# Altium PCB SIM_Cntroller_P200.PcbDoc (part 2 of 2)
Units mm, origin at the board's own origin, x right, y up, seen from the top; angles counter-clockwise.
Board outline 110.24 x 141.25 mm, 2 copper layers (Top Layer, Bottom Layer); 165 components, 100 nets, 639 pads, 246 vias.
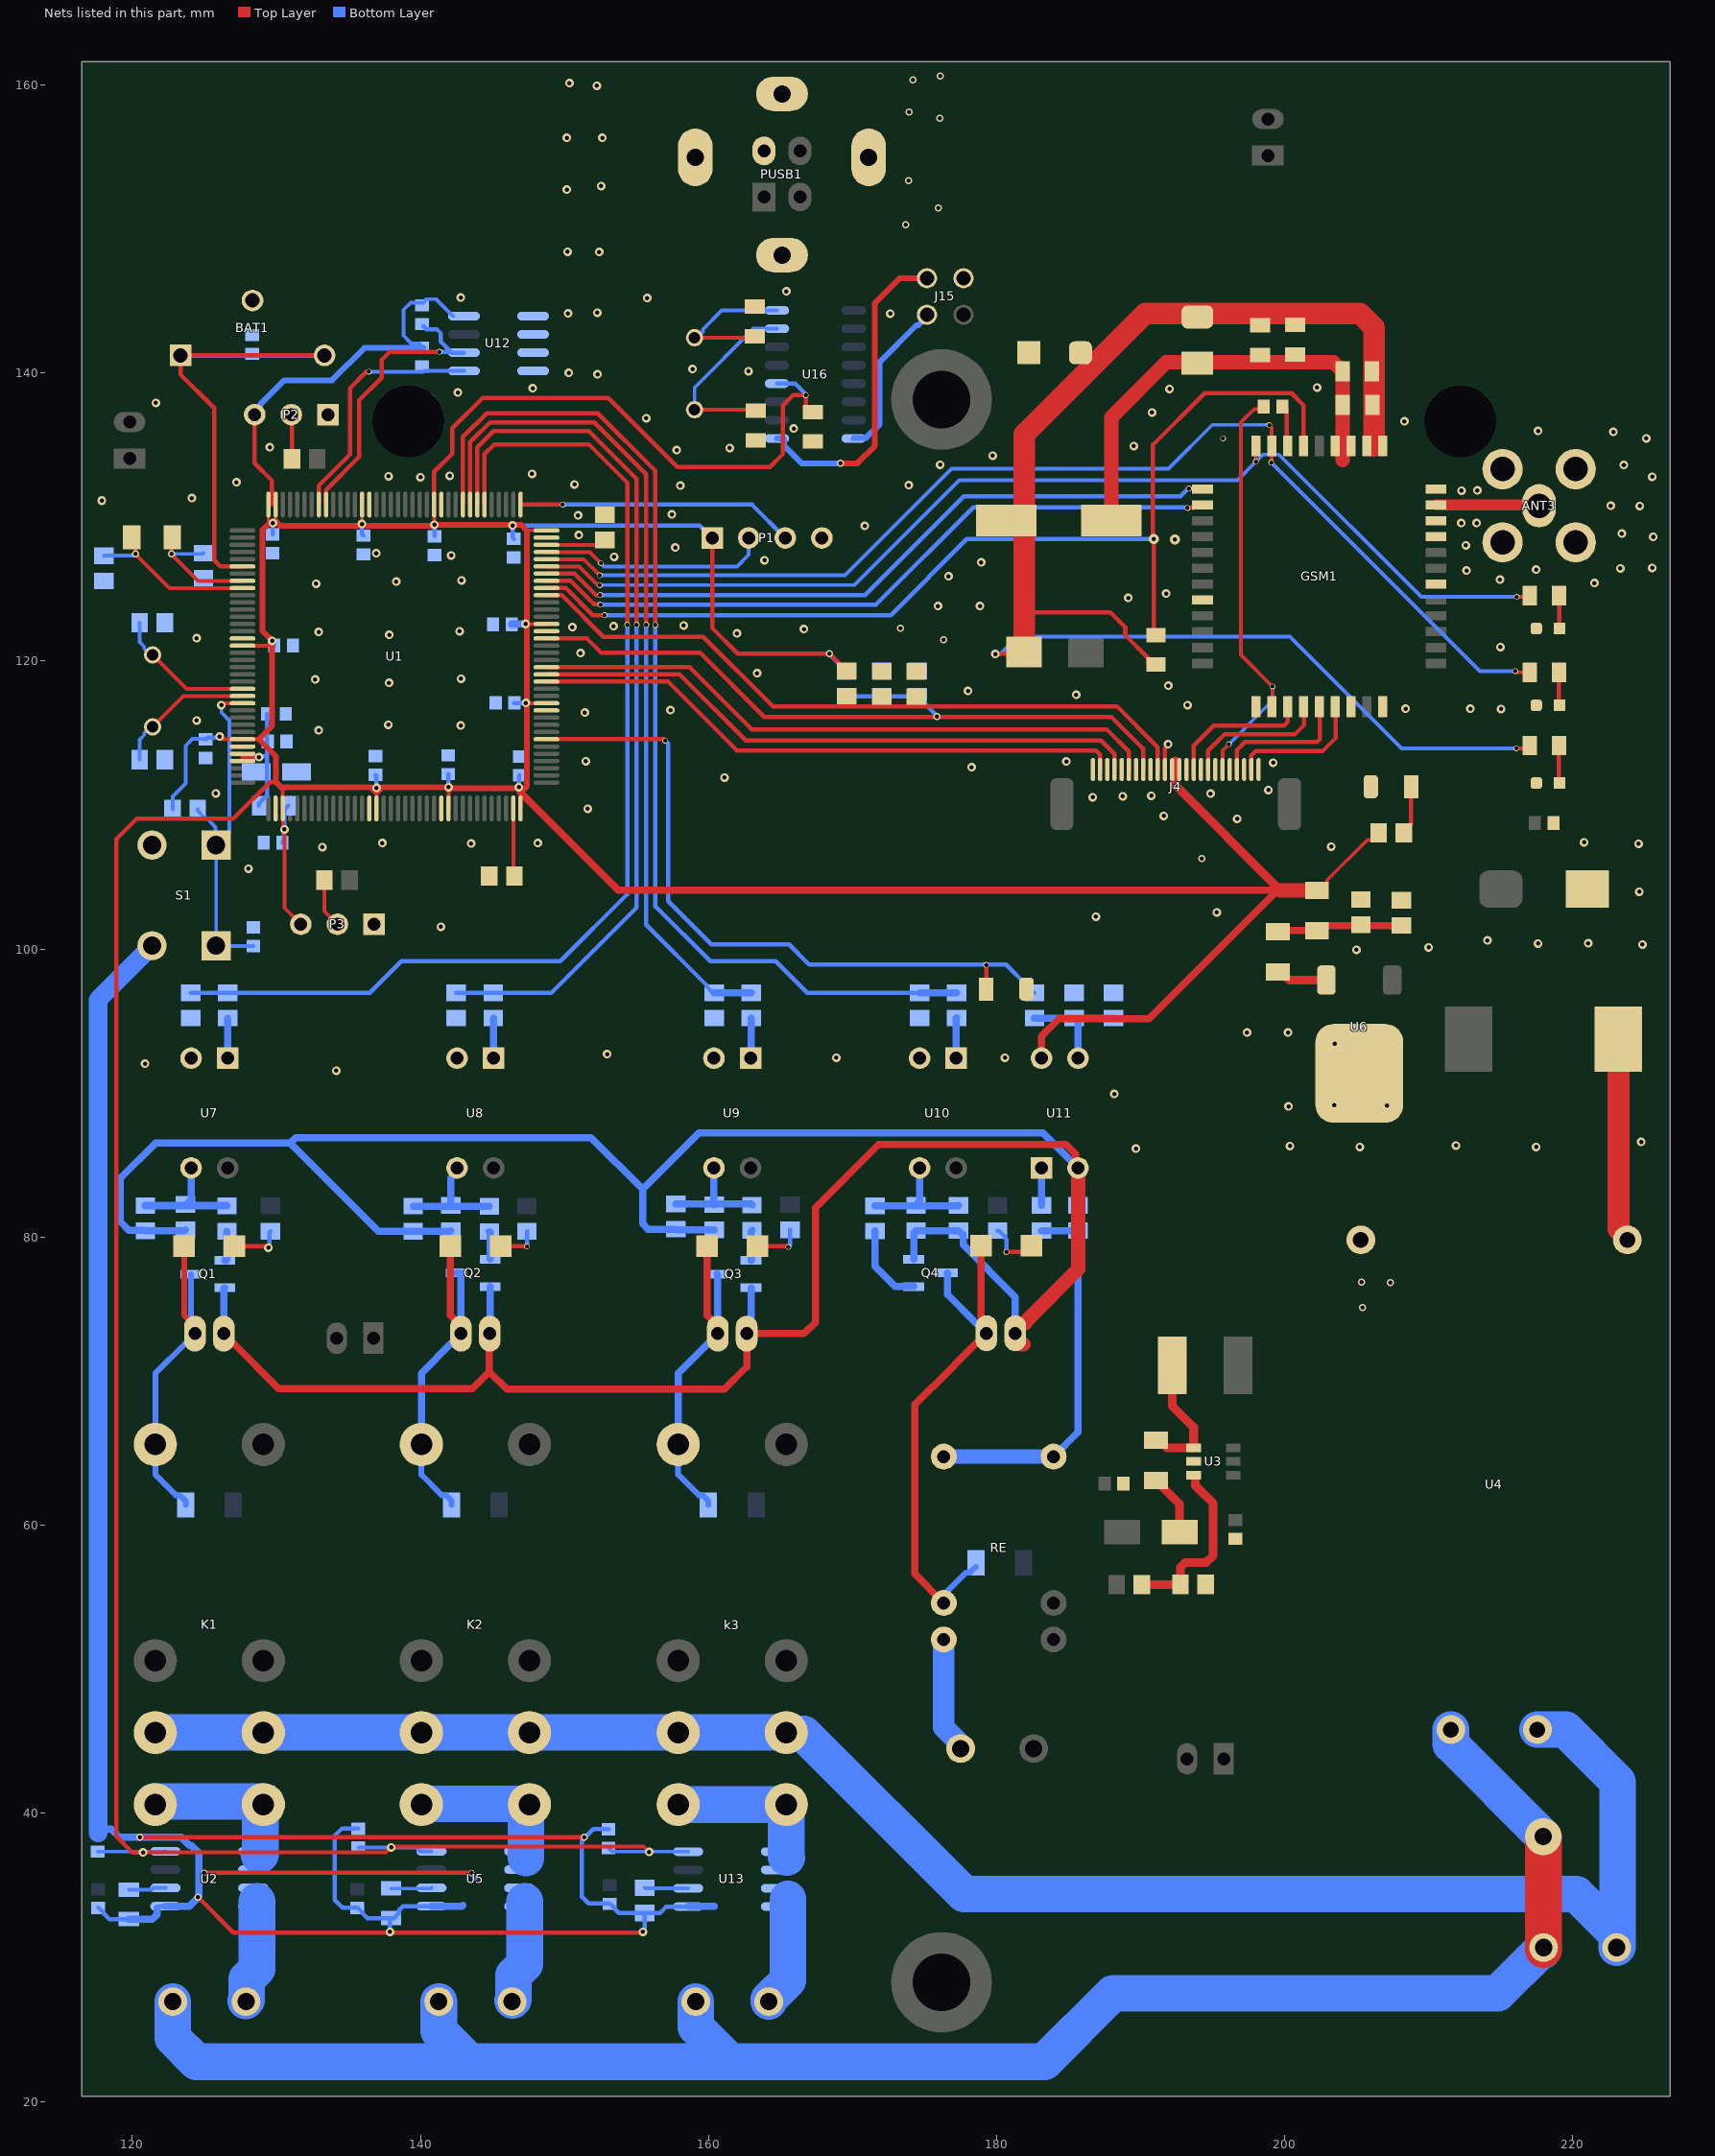
[diagram p2: the nets of this part, all layers, seen from the top]

## Via types
v1: diameter 0.6, hole 0.3, Top Layer to Bottom Layer, tented both sides, 181 vias
v2: diameter 0.4, hole 0.3, Top Layer to Bottom Layer, tented both sides, 35 vias
v3: diameter 0.5, hole 0.3, Top Layer to Bottom Layer, 23 vias
v4: diameter 0.4, hole 0.3, Top Layer to Bottom Layer, 2 vias
v5: diameter 0.7, hole 0.3, Top Layer to Bottom Layer, tented bottom, 2 vias
v6: diameter 1, hole 0.3, Top Layer to Bottom Layer, tented both sides, 2 vias
v7: diameter 2.54, hole 1.2, Top Layer to Bottom Layer, tented both sides, 1 vias

## Nets (pads, with @x,y where several pads share a name; then routed paths per layer and width w, separated by ;. In a path a pad name is that pad's centre, name@x,y a point inside that pad or via, vN(x,y) a via of type N, cw(c..) or ccw(c..) an arc to the next point about the centre after c; other vN are vias at no path point) (continued)
GND: 3V3.2 ANT3.2 ANT3.3 ANT3.4 ANT3.5 BAT1.NEG C1.1 C2.1 C3.1 C4.1 C5.1 C6.1 C7.1 C8.1 C9.1 C10.1 C11.1 C12.1 C13.1 C14.1 C15.2 C16.2 C17.1 C18.1 C19.1 C20.1 C21.1 C22.1 C23.1 C24.1 C25.2 C26.1 C27.1 C28.1 C29.1 C30.2 C31.1 C32.1 C33.1 C34.2 C35.1 C36.1 C37.1 C38.2 C39.1 C40.2 C41.2 C42.1 C43.1 C44.1 C45.1 C46.1 C47.1 C48.1 C49.1 C50.1 C51.1 C52.1 C53.2 C54.1 C55.1 C56.1 C57.1 C58.1 C60.1 DZ1.1 GSM1.8 GSM1.13 GSM1.19 GSM1.21 GSM1.27 GSM1.30 GSM1.31 GSM1.33 GSM1.36 GSM1.37 J4.1 J4.3 J4.5 J4.7 J4.9 J4.11 J4.14 J4.16 J4.18 J4.20 J4.22 J4.24 J7.2 J8.2 J9.2 J10.2 J15.1 LED6.2 NET.2 P1.4 P2.1 P3.1 PUSB1.4 PUSB1.SH1 PUSB1.SH2 PUSB1.SH3 PUSB1.SH4 PWR.2 Q1.2 Q2.2 Q3.2 Q4.2 R15.1 R16.1 R19.1 R20.1 R23.1 R29.1 R31.1 R36.1 S1.2 STA.2 U1.16 U1.31 U1.38 U1.51 U1.61 U1.83 U1.94 U1.107 U1.120 U1.130 U2.5 U3.2 U4.3 U5.5 U6.4 U7.2 U8.2 U9.2 U10.2 U11.2 U12.1 U12.2 U12.3 U12.4 U13.5 | length 452.4
  Top Layer w0.3: v3@120.472,38.329 v3(151.384,38.329) ; v3(124.573,34.183) 127.032,31.725 137.897,31.725 155.397,31.725 v1(155.448,31.775) v1@155.499,31.826 ; v4(124.993,35.89) 143.507,35.89 143.532,35.865 v4(143.559,35.865) ; J4.11@191.68,112.471 191.68,113.926 191.897,114.143 v1(191.897,114.224)
  Top Layer w0.5: J7.2@126.349,73.304 126.349,73.075 126.811,72.613 127.04,72.613 130.159,69.494 143.612,69.494 144.78,70.663 ; J8.2@144.815,73.304 144.78,73.27 144.78,70.663 ; J10.2@181.289,73.33 181.289,73.559 181.751,74.021 J10.2@181.981,74.021 ; U11.2@185.649,84.811 185.482,84.978 185.482,85.765 184.81,86.436 171.806,86.436 167.411,82.042 167.411,74.092 166.624,73.304 J9.2@162.646,73.304 162.646,71.002 161.087,69.444 145.999,69.444 144.78,70.663
  Top Layer w1: J10.2@181.289,73.33 181.289,72.965 181.674,72.58 J10.2@181.856,72.58 ; J10.2@181.981,74.021 181.981,74.107 185.649,77.775 U11.2@185.649,84.811 ; C16.2@187.952,129.743 187.952,136.924 191.77,140.741 203.368,140.741 203.803,140.306 204.003,140.306 C14.1@204.003,140.106 204.003,133.96
  Bottom Layer w0.3: C31.1@117.627,33.437 117.677,33.437 117.952,33.162 117.952,33.112 118.409,32.655 C13.1@119.761,32.655 C13.1@119.685,32.579 ; U2.5@121.725,33.415 121.863,33.553 U2.5@122.299,33.553 ; C11.1@135.687,38.928 134.533,38.928 134.061,38.456 134.061,33.985 134.61,33.437 C34.2@135.611,33.437 135.661,33.437 135.936,33.162 135.936,33.112 136.316,32.731 C33.1@137.973,32.731 ; v1(137.897,31.775) 137.897,32.655 C33.1@137.973,32.731 ; U5.5@140.765,33.553 138.795,33.553 138.523,33.281 138.523,33.081 138.173,32.731 C33.1@137.973,32.731 ; v4(143.559,35.865) 143.559,35.739 143.827,35.471 ; C54.1@153.06,38.902 152.009,38.902 151.206,38.1 151.206,34.214 151.663,33.757 153.096,33.757 C53.2@153.137,33.716 153.187,33.716 153.462,33.441 153.462,33.391 153.768,33.085 C52.1@155.575,33.085 ; v1(155.448,31.775) 155.448,31.857 155.575,31.984 C52.1@155.575,33.085 ; U13.5@158.583,33.533 158.553,33.503 157.048,33.503 156.63,33.085 C52.1@155.575,33.085
  Bottom Layer w0.5: C35.1@117.602,38.648 117.614,38.661 117.777,38.823 118.023,38.823 118.12,38.92 118.534,38.92 119.126,38.329 120.515,38.329 v3(120.535,38.349) 120.555,38.329 123.393,38.329 123.948,37.774 124.1,37.774 124.612,37.262 124.612,34.214 123.952,33.553 U2.5@122.299,33.553 ; C13.1@119.761,32.655 121.401,32.655 121.725,32.979 U2.5@121.725,33.415 ; C44.1@123.698,80.521 123.622,80.444 R15.1@120.904,80.444 120.867,80.482 119.772,80.482 119.177,81.077 119.177,84.099 121.615,86.538 130.962,86.538 ; J7.2@126.349,73.304 126.349,76.445 126.399,76.495 Q1.2@126.422,76.495 ; U5.5@140.765,33.553 142.875,33.553 142.951,33.63 ; C45.1@142.113,80.456 142.062,80.405 R16.1@139.497,80.405 137.095,80.405 130.962,86.538 ; J8.2@144.815,73.304 144.837,73.327 Q2.2@144.837,76.571 ; U13.5@158.583,33.533 160.38,33.533 ; C48.1@160.401,80.507 157.785,80.507 R19.1@157.734,80.557 155.815,80.557 155.423,80.95 155.423,83.337 ; J9.2@162.646,73.304 162.646,74.075 162.948,74.377 Q3.2@162.948,76.495 ; Q4.2@174.237,78.471 174.237,80.297 C49.1@174.396,80.456 R20.1@177.343,80.456 177.349,80.456 177.674,80.131 177.674,79.476 181.289,75.86 J10.2@181.289,73.33 ; C50.1@185.649,82.206 U11.2@185.649,84.811 183.21,87.249 159.334,87.249 155.423,83.337 ; 130.962,86.538 131.343,86.919 151.841,86.919 155.423,83.337
  Bottom Layer w1.3: C35.1@117.614,38.661 117.614,96.481 S1.2@121.374,100.241
  other v1: 189.662,86.157 205.207,86.258 217.449,86.258 200.355,86.335 211.887,86.36 224.739,86.614 200.254,89.078 207.086,89.129 203.429,89.179 188.163,89.941 134.163,91.567 120.879,92.05 168.859,92.456 180.569,92.456 152.957,92.707 203.454,93.421 197.383,94.209 200.228,94.209 204.978,99.949 209.982,100.127 224.815,100.33 217.576,100.381 221.056,100.406 214.071,100.609 141.427,101.549 186.878,102.262 195.275,102.55 224.612,103.988 128.067,105.588 133.198,107.086 203.225,107.112 224.552,107.321 143.51,107.34 137.363,107.366 148.141,107.365 220.777,107.417 196.698,109.042 191.592,109.245 151.613,109.753 186.665,110.541 188.747,110.617 190.729,110.642 194.843,110.795 125.806,110.82 198.857,111.049 161.112,111.912 178.257,112.624 199.187,112.954 151.475,113.038 184.836,113.03 132.944,115.189 142.799,115.519 137.77,115.57 124.46,115.873 151.409,116.434 157.357,116.59 208.382,116.688 212.877,116.688 215.011,116.68 193.243,116.942 185.522,117.653 178.003,117.932 191.922,118.288 137.82,118.491 132.69,118.72 142.824,118.77 163.373,119.151 151.105,120.564 214.96,120.98 124.46,121.59 137.846,121.818 161.976,121.92 132.944,122.022 142.723,122.072 166.617,122.224 150.546,122.352 153.416,122.428 158.267,122.479 175.92,123.825 178.841,123.825 189.128,124.384 191.77,124.689 132.766,125.374 221.488,125.425 138.328,125.527 142.85,125.603 214.935,125.654 176.657,125.882 212.623,126.289 217.453,126.351 223.291,126.441 225.501,126.467 178.918,126.848 163.881,127 153.441,127.229 142.138,127.33 136.931,127.483 157.683,127.889 212.573,128.041 225.577,128.626 151.003,128.753 223.393,128.854 170.84,129.388 212.242,129.591 213.309,129.591 150.952,130.124 157.455,130.175 224.638,130.759 222.631,130.785 117.881,131.14 124.13,131.318 212.268,131.826 213.36,131.851 158.039,132.182 173.888,132.207 150.698,132.258 127.231,132.42 140.005,132.766 225.501,132.791 137.79,132.836 142.037,132.867 147.752,132.994 223.532,133.609 176.073,133.629 179.73,134.264 157.785,134.645 161.468,134.798 129.54,134.849 189.509,134.925 225.095,135.458 222.8,135.913 217.586,135.975 165.913,136.144 208.305,136.652 155.677,136.855 190.779,137.262 121.641,137.922 142.606,138.649 191.999,138.887 147.803,138.938 202.235,138.989 152.298,139.903 150.292,140.005 162.763,140.132 158.885,140.27 172.618,144.12 150.241,144.145 152.273,144.196 155.736,145.202 142.799,145.237 165.405,145.669 150.216,148.412 152.405,148.4 150.165,152.73 152.552,152.984 150.165,156.337 152.629,156.337 152.248,159.944 150.343,160.122
  other v2: 195.707,135.458
  other v3: 205.384,75.108 207.315,76.86 205.334,76.886 194.234,106.299 176.327,121.488 173.304,122.276 173.672,150.286 175.958,151.444 173.897,153.363 176.062,157.702 173.926,158.11 174.171,160.339 176.1,160.604
  other v5: 192.38,128.448
GSM_ANT: ANT3.1 GSM1.32 | length 7.2
  Top Layer w0.762: GSM1.32@210.517,130.829 217.609,130.829 ANT3.1@217.653,130.785
I2C1_SCL: R32.1 U1.136 U12.6 | length 20.6
  Top Layer w0.3: U1.136@133.451,130.87 133.451,131.877 135.738,134.163 135.738,138.1 137.312,139.675 137.312,140.919 137.871,141.478 v2(141.326,141.478)
  Bottom Layer w0.3: R32.1@140.208,143.256 140.421,143.043 141.132,143.043 141.427,142.748 141.427,142.164 U12.6@142.12,141.471 ; v2(141.326,141.478) 141.946,141.478 141.953,141.471 U12.6@142.12,141.471 ; U12.6@143.022,141.414 142.177,141.414 U12.6@142.12,141.471
I2C1_SDA: R33.1 U1.137 U12.5 | length 17.4
  Top Layer w0.3: U1.137@132.951,130.87 132.951,132.189 135.103,134.341 135.103,138.938 136.258,140.093 v2(136.428,140.093)
  Bottom Layer w0.254: v2(136.428,140.093) 140.215,140.093 140.279,140.157 143.009,140.157 U12.5@143.022,140.144
L: J1.2 J2.2 J3.2 J5.2 U4.1 | length 129.7
  Top Layer w2.54: J1.2@217.957,30.523 J1.2@217.957,30.683 v7@217.957,38.354
  Bottom Layer w2.54: J2.2@122.809,26.924 122.809,24.409 124.46,22.758 143.408,22.758 ; J3.2@141.275,26.924 141.275,24.892 143.408,22.758 ; J5.2@159.106,26.924 159.106,25.171 161.519,22.758 ; U4.1@211.528,45.814 211.528,44.783 v7(217.932,38.379) v7@217.957,38.354 ; J1.2@217.957,30.523 217.887,30.453 217.727,30.453 214.782,27.508 188.062,27.508 183.312,22.758 161.519,22.758 ; 143.408,22.758 161.519,22.758
NET: GSM1.41 R27.2 U1.104 | length 82.9
  Top Layer w0.254: U1.104@148.751,127.07 151.34,127.07 v2(152.451,125.959) ; v2(198.933,136.373) 198.933,136.36 199.087,136.206 ; v2(199.06,133.782) 199.087,133.809 199.087,136.206 ; GSM1.41@199.087,134.932 199.087,136.206 ; v2(216.002,119.304) 216.014,119.304 216.101,119.216 R27.2@216.988,119.216
  Bottom Layer w0.254: v2(152.451,125.959) 169.469,125.959 176.86,133.35 191.922,133.35 194.97,136.398 198.907,136.398 v2(198.933,136.373) ; v2(199.06,133.782) 213.538,119.304 v2(216.002,119.304)
Net3V3_1: 3V3.1 R8.1 | length 3.4
  Top Layer w0.3: R8.1@208.266,108.077 208.266,108.177 208.766,108.677 3V3.1@208.766,111.277
NetBAT1_S+1: BAT1.S+1 BAT1.S+2 C23.2 U1.6 | length 37.3
  Top Layer w0.3: U1.6@127.651,126.57 126.109,126.57 125.679,127 125.679,137.57 123.346,139.903 BAT1.S+1@123.346,141.224 BAT1.S+2@133.346,141.224
  Bottom Layer w0.254: BAT1.S+1@123.346,141.173 127.127,141.173 BAT1.S+2@133.346,141.173
NetC12_2: C12.2 U16.8 X1.1 | length 11.7
  Top Layer w0.254: X1.1@159.029,142.454 163.113,142.454 C12.2@163.22,142.562 ; C12.2@163.127,142.655 C12.2@163.22,142.562 ; C12.2@163.14,142.189 163.293,142.342 163.474,142.342 163.254,142.562 C12.2@163.22,142.562
  Bottom Layer w0.254: X1.1@159.029,142.454 159.173,142.454 159.61,142.891 159.61,143.035 160.924,144.348 U16.8@164.744,144.348
NetC13_2: C13.2 U2.6 | length 2.6
  Bottom Layer w0.254: C13.2@119.761,34.705 121.337,34.705 121.455,34.823 U2.6@122.299,34.823
NetC22_2: C22.2 U1.23 X3.2 | length 9.9
  Top Layer w0.254: X3.2@121.412,120.432 123.774,118.07 U1.23@127.651,118.07
  Bottom Layer w0.254: C22.2@120.512,122.657 120.512,121.333 120.831,121.013 120.831,120.869 121.268,120.432 X3.2@121.412,120.432
NetC24_2: C24.2 U1.24 X3.1 | length 9.9
  Top Layer w0.254: X3.1@121.412,115.432 123.55,117.57 U1.24@127.651,117.57
  Bottom Layer w0.254: C24.2@120.512,113.157 120.512,114.532 120.831,114.851 120.831,114.995 121.268,115.432 X3.1@121.412,115.432
NetC27_2: C27.2 U1.8 X2.2 | length 9.1
  Top Layer w0.254: X2.2@122.714,128.553 v3(122.714,127.437) 124.581,125.57 U1.8@127.651,125.57
  Bottom Layer w0.254: v3(122.714,127.437) 124.886,127.437 C27.2@124.943,127.494
NetC28_2: C28.2 U1.106 | length 4.4
  Top Layer w0.254: U1.106@148.751,128.07 C28.2@153.176,128.07
NetC29_2: C29.2 U1.71 | length 4.3
  Top Layer w0.254: U1.71@146.451,109.77 146.451,105.604 C29.2@146.519,105.537
NetC30_1: C30.1 U1.9 X2.1 | length 11.6
  Top Layer w0.254: X2.1@120.214,128.348 v3(120.214,127.437) 122.581,125.07 U1.9@127.651,125.07
  Bottom Layer w0.254: C30.1@118.034,127.316 120.093,127.316 v3(120.214,127.437)
NetC33_2: C33.2 U5.6 | length 2.8
  Bottom Layer w0.254: C33.2@137.973,34.781 140.723,34.781 U5.6@140.765,34.823
NetC40_1: C40.1 C41.1 F3.1 L3.2 | length 8.7
  Top Layer w0.5: L3.2@199.587,101.292 F3.1@202.235,101.292 202.582,101.639 C41.1@208.102,101.639
NetC44_2: C44.2 R12.1 R15.2 U7.3 | length 8.4
  Bottom Layer w0.5: R15.2@120.904,82.194 126.543,82.194 R12.1@126.568,82.169 ; C44.2@123.698,82.271 123.754,82.271 124.079,82.596 U7.3@124.079,84.811
NetC45_2: C45.2 R14.1 R16.2 U8.3 | length 8.1
  Bottom Layer w0.5: R16.2@139.497,82.155 144.774,82.155 R14.1@144.788,82.14 ; C45.2@142.113,82.206 142.113,84.108 142.545,84.54 U8.3@142.545,84.811
NetC48_2: C48.2 R7.1 R19.2 U9.3 | length 7.9
  Bottom Layer w0.5: R19.2@157.734,82.307 C48.2@160.376,82.307 ; U9.3@160.376,84.811 C48.2@160.376,82.307 ; C48.2@160.401,82.257 160.376,82.282 C48.2@160.376,82.307 ; R7.1@163.017,82.231 162.941,82.307 C48.2@160.376,82.307
NetC49_2: C49.2 R18.1 R20.2 U10.3 | length 8.5
  Bottom Layer w0.5: R18.1@171.552,82.18 177.317,82.18 R20.2@177.343,82.206 ; C49.2@174.396,82.206 174.65,82.46 U10.3@174.65,84.811
NetC50_2: C50.2 R21.2 RE.1 | length 26.6
  Bottom Layer w0.5: R21.2@183.109,80.456 C50.2@185.649,80.456 185.649,66.472 RE.1@183.947,64.77
  Bottom Layer w1: RE.1@176.327,64.77 RE.1@183.947,64.77
NetC51_2: C51.2 R22.1 R23.2 U11.3 | length 8.4
  Bottom Layer w0.5: R22.1@182.626,95.213 C51.2@185.369,95.213 ; U11.3@185.649,92.431 185.649,94.934 C51.2@185.369,95.213 ; R23.2@188.112,95.213 C51.2@185.369,95.213
NetC52_2: C52.2 U13.6 | length 3
  Bottom Layer w0.254: C52.2@155.575,34.835 155.607,34.803 U13.6@158.583,34.803
NetC57_2: C57.2 U16.7 X1.2 | length 13.3
  Top Layer w0.254: X1.2@159.029,137.454 163.189,137.454 C57.2@163.271,137.372 C57.2@163.212,137.313
  Bottom Layer w0.254: X1.2@159.029,137.454 159.029,138.989 163.119,143.078 U16.7@164.744,143.078
NetD1_1: D1.1 J7.1 K1.1 LED2.2 Q1.3 | length 24.8
  Top Layer w0.4: LED2.2@123.599,79.375 123.599,74.589 124.349,73.839 J7.1@124.349,73.304
  Bottom Layer w0.4: D1.1@123.699,61.417 123.699,61.692 123.299,62.092 123.024,62.092 121.599,63.517 K1.1@121.599,65.611 121.599,70.554 123.639,72.594 123.841,72.594 124.349,73.102 J7.1@124.349,73.304 124.349,74.102 124.072,74.379 Q1.3@124.072,77.445
NetD3_1: D3.1 J8.1 K2.1 LED3.2 Q2.3 | length 25.1
  Top Layer w0.5: LED3.2@142.065,79.375 142.065,74.597 142.815,73.847 J8.1@142.815,73.304
  Bottom Layer w0.4: K2.1@140.065,65.611 140.065,63.517 141.49,62.092 141.765,62.092 142.165,61.692 D3.1@142.165,61.417
  Bottom Layer w0.5: K2.1@140.065,65.611 140.065,70.554 142.123,72.613 142.353,72.613 142.815,73.075 J8.1@142.815,73.304 142.815,77.471 142.765,77.521 Q2.3@142.487,77.521
NetD4_1: D4.1 J9.1 k3.1 LED4.2 Q3.3 | length 24.7
  Top Layer w0.5: LED4.2@159.896,79.375 159.896,74.597 160.646,73.847 J9.1@160.646,73.304
  Bottom Layer w0.4: k3.1@157.896,65.611 157.896,63.517 159.321,62.092 159.596,62.092 159.996,61.692 D4.1@159.996,61.417
  Bottom Layer w0.5: k3.1@157.896,65.611 157.896,70.554 159.954,72.613 160.184,72.613 160.646,73.075 J9.1@160.646,73.304 160.646,77.397 Q3.3@160.598,77.445
NetD5_1: D5.1 J10.1 LED5.2 Q4.3 RE.5 | length 37.9
  Top Layer w0.5: RE.5@176.327,54.61 174.32,56.617 174.32,68.377 175.565,69.621 175.581,69.621 178.598,72.638 178.827,72.638 179.289,73.1 J10.1@179.289,73.33 179.289,74.1 178.92,74.469 LED5.2@178.92,79.4
  Bottom Layer w0.4: RE.5@176.327,54.61 176.595,54.878 176.595,55.436 177.888,56.729 178.163,56.729 D5.1@178.563,57.129
  Bottom Layer w0.5: Q4.3@176.587,77.521 176.587,76.032 178.598,74.021 178.827,74.021 179.289,73.559 J10.1@179.289,73.33 179.289,73.1 J10.1@178.827,72.638
NetD6_1: D6.1 F2.1 | length 4.4
  Top Layer w0.6: F2.1@191.059,63.116 191.284,63.116 191.584,62.816 191.584,62.591 192.703,61.472 D6.1@192.703,59.512
NetF2_2: F2.2 L2.1 U3.1 | length 9.2
  Top Layer w0.6: F2.2@191.059,65.916 191.284,65.916 191.81,65.39 U3.1@193.672,65.39 193.672,66.805 192.176,68.301 L2.1@192.176,71.107
NetJ6_1: J6.1 RE.6 | length 8.1
  Bottom Layer w1.5: RE.6@176.327,52.07 176.327,45.969 177.495,44.801 J6.1@177.495,44.501
NetJ15_3: J15.3 U16.1 | length 22.5
  Top Layer w0.4: v3(169.164,133.731) 170.332,133.731 171.552,134.95 171.552,144.856 173.279,146.583 J15.3@175.158,146.583
  Bottom Layer w0.4: U16.1@164.744,135.458 165.16,135.458 165.257,135.361 165.257,134.946 166.472,133.731 v3(169.164,133.731)
NetJ15_4: J15.4 U16.16 | length 11.2
  Bottom Layer w0.4: U16.16@170.078,135.458 170.119,135.498 170.931,135.498 171.882,136.449 171.882,140.767 174.439,143.324 174.569,143.324 175.158,143.914 J15.4@175.158,144.043
NetL1_1: L1.1 U4.4 | length 14.2
  Top Layer w1.524: L1.1@223.164,93.751 223.164,80.557 223.778,79.943 U4.4@223.778,79.814
NetL3_1: L3.1 U6.3 | length 3.4
  Top Layer w0.6: L3.1@199.742,98.422 200.31,97.853 U6.3@202.889,97.853
NetLED2_1: LED2.1 R9.1 | length 3.6
  Top Layer w0.3: LED2.1@127.099,79.375 129.256,79.375 129.357,79.273 v1(129.438,79.273)
  Bottom Layer w0.3: v1(129.438,79.273) 129.438,79.355 129.523,79.439 129.523,80.351 R9.1@129.591,80.419
NetLED3_1: LED3.1 R10.1 | length 2.9
  Top Layer w0.3: LED3.1@145.565,79.375 147.371,79.375 v2(147.396,79.35)
  Bottom Layer w0.3: v2(147.396,79.35) R10.1@147.396,80.405
NetLED4_1: LED4.1 R4.1 | length 3.4
  Top Layer w0.3: LED4.1@163.396,79.375 165.481,79.375 v2(165.532,79.324)
  Bottom Layer w0.3: v2(165.532,79.324) 165.659,79.451 R4.1@165.659,80.507
NetLED5_1: LED5.1 R5.1 | length 3.7
  Top Layer w0.3: v2(180.67,78.969) 181.988,78.969 LED5.1@182.42,79.4
  Bottom Layer w0.3: R5.1@180.061,80.456 180.161,80.456 180.586,80.031 180.586,79.931 180.67,79.846 v2(180.67,78.969)
NetNET_1: NET.1 R27.1 | length 2.3
  Top Layer w0.3: R27.1@219.02,119.216 219.02,116.968 NET.1@219.058,116.93
NetP2_2: P2.2 R1.1 | length 3.1
  Top Layer w0.3: R1.1@131.078,134.036 P2.2@131.078,137.109
NetP3_2: P3.2 R2.1 | length 3.4
  Top Layer w0.254: R2.1@133.339,104.8 133.339,102.627 P3.2@134.239,101.727
NetPWR_1: PWR.1 R25.1 | length 2.6
  Top Layer w0.3: R25.1@219.02,114.136 219.02,111.574 PWR.1@219.062,111.531
NetQ1_1: Q1.1 R12.2 | length 2.1
  Bottom Layer w0.5: Q1.1@126.422,78.395 126.518,78.395 126.568,78.445 R12.2@126.568,80.419
NetQ2_1: Q2.1 R14.2 | length 1.9
  Bottom Layer w0.5: R14.2@144.788,80.39 144.837,80.341 Q2.1@144.837,78.471
NetQ3_1: Q3.1 R7.2 | length 2.1
  Bottom Layer w0.5: Q3.1@162.948,78.395 162.948,80.412 R7.2@163.017,80.481
NetQ4_1: Q4.1 R18.2 | length 5.7
  Bottom Layer w0.5: R18.2@171.552,80.43 171.552,77.978 172.959,76.571 Q4.1@174.237,76.571
NetR6_2: R6.2 U9.1 | length 2.8
  Bottom Layer w0.5: U9.1@162.916,92.431 162.966,92.481 R6.2@162.966,95.213
NetR11_2: R11.2 U7.1 | length 2.8
  Bottom Layer w0.5: U7.1@126.619,92.431 R11.2@126.619,95.213
NetR13_2: R13.2 U8.1 | length 2.8
  Bottom Layer w0.5: R13.2@145.059,95.213 145.059,92.456 U8.1@145.085,92.431
NetR17_2: R17.2 U10.1 | length 2.8
  Bottom Layer w0.5: U10.1@177.19,92.431 177.19,95.199 R17.2@177.216,95.225
NetR21_1: R21.1 U11.1 | length 2.6
  Bottom Layer w0.5: R21.1@183.109,82.206 U11.1@183.109,84.811
NetR24_1: R24.1 R29.2 U3.3 | length 12.6
  Top Layer w0.6: R24.1@190.08,55.88 R29.2@192.724,55.88 ; R29.2@192.749,55.905 192.749,57.078 193.101,57.429 194.539,57.429 195.021,57.912 195.021,61.519 193.797,62.743 193.797,63.49 U3.3@193.672,63.49
NetR26_1: R26.1 STA.1 | length 2.3
  Top Layer w0.3: R26.1@219.02,124.55 219.058,124.512 STA.1@219.058,122.264
P: J1.1 K1.CM1 K1.CM2 K2.CM1 K2.CM2 k3.CM1 k3.CM2 U4.2 | length 126.8
  Bottom Layer w2.54: K1.CM1@121.599,45.611 K1.CM2@129.099,45.611 K2.CM1@140.065,45.611 K2.CM2@147.565,45.611 k3.CM1@157.896,45.611 k3.CM2@165.396,45.611 165.484,45.523 166.617,45.523 177.749,34.392 220.243,34.392 223.037,31.598 J1.1@223.037,30.683 223.107,30.753 223.107,31.756 223.107,42.196 219.489,45.814 U4.2@217.528,45.814
PWRKEY: GSM1.39 R28.1 U1.100 | length 73.4
  Top Layer w0.3: U1.100@148.751,125.07 150.088,125.07 151.968,123.19 v2(152.781,123.19) ; R28.1@190.856,121.92 190.906,121.971 v5(190.906,128.473) 190.868,128.511 190.868,128.653 190.856,128.665 190.856,135.026 194.437,138.608 200.457,138.608 201.287,137.777 GSM1.39@201.287,134.932
  Bottom Layer w0.3: v2(152.781,123.19) 172.644,123.19 177.927,128.473 v5(190.906,128.473)
relay1: C42.2 R11.1 U1.114 | length 76.5
  Top Layer w0.3: U1.114@144.451,130.87 144.451,134.368 145.136,135.052 151.689,135.052 154.356,132.385 v2(154.356,122.53)
  Bottom Layer w0.3: C42.2@124.054,96.963 R11.1@126.619,96.963 136.486,96.963 138.684,99.162 149.708,99.162 154.356,103.81 v2(154.356,122.53)
relay2: C43.2 R13.1 U1.115 | length 61.6
  Top Layer w0.3: U1.115@143.951,130.87 143.951,134.833 145.085,135.966 151.689,135.966 155.016,132.639 v2(155.016,122.53)
  Bottom Layer w0.3: C43.2@142.469,96.963 R13.1@145.059,96.963 149.084,96.963 155.016,102.895 v2(155.016,122.53)
Relay3: C46.2 R6.1 U1.116 | length 59.2
  Top Layer w0.3: U1.116@143.451,130.87 143.451,135.196 144.831,136.576 152.07,136.576 155.677,132.969 v2(155.677,122.53)
  Bottom Layer w0.3: v2(155.677,122.53) 155.677,101.688 159.876,97.488 159.876,97.388 160.301,96.963 C46.2@160.401,96.963
  Bottom Layer w0.5: C46.2@160.401,96.963 R6.1@162.966,96.963
Relay4: C47.2 R17.1 U1.117 | length 74
  Top Layer w0.3: U1.117@142.951,130.87 142.951,135.56 144.602,137.211 152.298,137.211 156.312,133.198 v2(156.312,122.504)
  Bottom Layer w0.3: v2(156.312,122.504) 156.312,102.972 160.122,99.162 164.668,99.162 166.855,96.975 C47.2@174.65,96.975
  Bottom Layer w0.5: C47.2@174.65,96.975 R17.1@177.216,96.975
RESET: C32.2 R3.1 S1.1 U1.25 | length 24.5
  Top Layer w0.254: v1(126.187,116.941) 126.315,117.07 U1.25@127.651,117.07
  Bottom Layer w0.254: R3.1@124.548,109.703 124.548,109.603 124.996,109.155 125.096,109.155 125.776,108.474 125.776,107.269 S1.1@125.819,107.226 ; v1(126.187,116.941) 126.187,116.434 126.746,115.875 126.746,108.264 126.708,108.226 126.708,108.115 S1.1@125.819,107.226 ; C32.2@128.397,100.213 125.847,100.213 S1.1@125.819,100.241 S1.1@125.819,107.226
RL1_P+: K1.NO1 K1.NO2 U2.1 U2.2 | length 11.3
  Bottom Layer w2.54: K1.NO1@121.472,40.815 128.972,40.815 128.884,40.727 128.884,37.139 128.803,37.059
RL1_P-: J2.1 U2.3 U2.4 | length 7.2
  Bottom Layer w2.54: J2.1@127.872,26.986 127.942,27.056 127.942,28.501 128.651,29.21 128.651,33.909
RL2_P+: K2.NO1 K2.NO2 U5.1 U5.2 | length 11.3
  Bottom Layer w2.54: K2.NO1@139.84,40.657 147.34,40.657 147.32,40.637 147.32,36.906
RL2_P-: J3.1 U5.3 U5.4 | length 7.3
  Bottom Layer w2.54: J3.1@146.388,27.011 146.458,27.081 146.458,28.755 147.244,29.54 147.244,33.909
RL3_P+: k3.NO1 k3.NO2 U13.1 U13.2 | length 11.2
  Bottom Layer w2.54: k3.NO1@157.896,40.611 k3.NO2@165.396,40.611 165.396,36.966 165.43,36.932
RL3_P-: J5.1 U13.3 U13.4 | length 7.7
  Bottom Layer w2.54: J5.1@164.186,26.924 164.186,27.084 165.506,28.405 165.506,34.061
sim800_rx: GSM1.2 U1.101 | length 49.1
  Top Layer w0.3: U1.101@148.751,125.57 150.427,125.57 152.063,123.934 152.494,123.934 v2(152.502,123.927) ; v2(193.243,130.632) 193.262,130.651 193.699,130.651 193.88,130.832 GSM1.2@194.287,130.832
  Bottom Layer w0.3: v2(152.502,123.927) 171.628,123.927 178.384,130.683 193.165,130.683 193.216,130.632 v2(193.243,130.632)
sim800_tx: GSM1.1 U1.102 | length 49.2
  Top Layer w0.3: U1.102@148.751,126.07 150.689,126.07 152.164,124.594 152.469,124.594 v2(152.476,124.587) ; v2(193.345,131.978) 193.364,131.959 GSM1.1@194.26,131.959
  Bottom Layer w0.3: v2(152.476,124.587) 170.866,124.587 177.724,131.445 192.761,131.445 193.244,131.928 193.268,131.928 193.318,131.978 v2(193.345,131.978)
SIM_CLK: GSM1.16 J4.17 | length 10
  Top Layer w0.3: J4.17@194.68,112.471 194.68,113.781 195.834,114.935 200.711,114.935 201.317,115.541 GSM1.16@201.317,116.829
SIM_DATA: GSM1.15 J4.15 | length 9.9
  Top Layer w0.3: J4.15@193.68,112.471 193.68,114.128 195.072,115.519 199.949,115.519 200.217,115.787 GSM1.15@200.217,116.829
SIM_DET: GSM1.14 J4.19 R30.1 | length 29.5
  Top Layer w0.254: J4.19@195.68,112.471 195.68,113.791 v2(196.113,114.224) ; R30.1@198.232,137.49 197.866,137.49 196.952,136.576 196.952,120.421 v2(199.136,118.237) 199.136,116.881 GSM1.14@199.087,116.832
  Bottom Layer w0.254: v2(196.113,114.224) 199.136,117.246 v2(199.136,118.237)
SIM_RST: GSM1.17 J4.21 | length 9.7
  Top Layer w0.3: J4.21@196.68,112.471 196.68,113.826 197.231,114.376 202.241,114.376 202.417,114.552 GSM1.17@202.417,116.829
SIM_VDD: GSM1.18 J4.23 | length 9.5
  Top Layer w0.3: J4.23@197.68,112.471 197.68,113.454 197.968,113.741 202.616,113.741 203.516,114.642 GSM1.18@203.516,116.829
STA: GSM1.42 R26.2 U1.103 | length 77.8
  Top Layer w0.254: U1.103@148.751,126.57 151.027,126.57 152.296,125.301 152.423,125.301 v2(152.451,125.273) ; v2(197.987,133.839) GSM1.42@197.987,134.932 ; v2(216.103,124.46) 216.897,124.46 R26.2@216.988,124.55
  Bottom Layer w0.254: v2(152.451,125.273) 170.104,125.273 177.394,132.563 196.711,132.563 v2(197.987,133.839) 198.489,134.341 199.593,134.341 209.474,124.46 v2(216.103,124.46)
SW1: C60.2 J4.8 R35.2 R36.2 U1.93 | length 53
  Top Layer w0.3: U1.93@148.751,121.57 151.556,121.57 152.552,120.574 159.41,120.574 163.855,116.129 187.96,116.129 190.18,113.908 J4.8@190.18,112.471
  Bottom Layer w0.3: R35.2@169.57,117.54 174.573,117.54 174.598,117.565 175.023,117.14 175.023,117.04 175.806,116.257 175.806,116.192 v3(175.844,116.154)
SW2: C56.2 J4.10 R31.2 R34.2 U1.99 | length 48.4
  Top Layer w0.3: U1.99@148.751,124.57 149.826,124.57 152.705,121.691 159.639,121.691 164.465,116.865 188.341,116.865 191.18,114.026 J4.10@191.18,112.471
SW3: LED6.1 R22.2 U1.79 | length 49.3
  Top Layer w0.3: U1.79@148.751,114.57 156.905,114.57 v2(156.997,114.478) ; LED6.1@179.27,97.231 179.27,98.905 v2(179.273,98.908)
  Bottom Layer w0.3: v2(156.997,114.478) 157.201,114.275 157.201,103.327 160.198,100.33 165.583,100.33 166.98,98.933 179.273,98.933 180.656,98.933 182.101,97.488 182.101,97.388 182.526,96.963 R22.2@182.626,96.963
SW_Light1: J4.2 U1.87 | length 41.6
  Top Layer w0.3: U1.87@148.751,118.57 157.198,118.57 161.976,113.792 186.893,113.792 187.18,113.505 J4.2@187.18,112.471
SW_Light2: J4.6 U1.89 | length 44.1
  Top Layer w0.3: U1.89@148.751,119.57 158.687,119.57 162.992,115.265 187.63,115.265 189.18,113.715 J4.6@189.18,112.471
SW_Light3: J4.4 U1.88 | length 42.8
  Top Layer w0.3: U1.88@148.751,119.07 157.993,119.07 162.585,114.478 187.249,114.478 188.18,113.546 J4.4@188.18,112.471
SWCLK: P1.3 U1.109 | length 19.3
  Top Layer w0.3: U1.109@146.951,130.87 v2@149.885,130.87
  Bottom Layer w0.3: v2(149.885,130.861) 163.017,130.861 P1.3@165.329,128.549
SWDIO: P1.2 U1.105 | length 16.2
  Top Layer w0.254: U1.105@148.751,127.57 151.754,127.57 v2(152.527,126.797) ; P1.2@162.789,128.27 P1.2@162.789,128.549
  Bottom Layer w0.254: v2(152.527,126.797) 152.756,126.568 161.976,126.568 162.789,127.381 P1.2@162.789,128.549
VBAT: C14.2 C15.1 C16.1 C17.2 C18.2 C19.2 D2.2 DZ1.2 GSM1.34 GSM1.35 R25.2 R28.2 | length 105.3
  Top Layer w0.254: v1(179.908,120.498) 181.771,120.498 D2.2@181.898,120.625 ; v2(216.078,113.944) 216.796,113.944 R25.2@216.988,114.136
  Top Layer w0.3: 181.898,123.52 182.025,123.393 187.884,123.393 188.925,122.352 188.925,121.793 190.534,120.184 190.534,119.854 R28.2@190.678,119.71
  Top Layer w1.5: D2.2@181.898,120.625 181.898,123.52 181.898,129.743 181.898,135.721 190.297,144.12 193.929,144.12 205.232,144.12 206.197,143.154 206.197,140.106 206.197,137.77 206.197,134.925
  Bottom Layer w0.254: v1@179.934,120.498 180.264,120.498 181.458,121.691 200.355,121.691 208.102,113.944 v2(216.078,113.944)
VCC: C1.2 C2.2 C3.2 C4.2 C5.2 C6.2 C7.2 C8.2 C9.2 C10.2 C11.2 C20.2 C35.2 C54.2 C55.2 C58.2 F1.1 F3.2 J4.12 J4.13 P1.1 P2.3 P3.3 R3.2 R8.2 R32.2 R33.2 R34.1 R35.1 U1.17 U1.30 U1.39 U1.52 U1.62 U1.72 U1.84 U1.95 U1.108 U1.121 U1.131 U1.143 U1.144 U2.8 U5.8 U11.4 U12.8 U13.8 U16.4 | length 456.4
  Top Layer w0.254: v1(120.752,37.287) 137.617,37.287 138.024,37.694 155.499,37.694 v1(155.88,37.313) ; v1(126.06,114.757) 126.154,114.757 126.341,114.57 U1.30@127.651,114.57 128.788,114.57 ; U1.17@127.651,121.07 129.376,121.07 v1(129.718,121.412) ; 130.581,111.252 130.454,111.125 130.429,111.1 130.429,110.575 130.443,110.561 130.443,109.779 U1.39@130.451,109.77 130.451,108.525 130.568,108.409 v1(130.568,108.315) 130.568,102.858 P3.3@131.699,101.727 ; v1@135.687,129.388 v1@135.951,129.652 ; U1.131@135.951,130.87 v1@135.951,129.652 ; 136.216,129.388 v1@135.951,129.652 ; U1.52@136.951,109.77 136.951,110.84 ; v1@140.691,129.388 v1@140.767,129.464 ; U1.121@140.951,130.87 140.951,129.648 v1@140.767,129.464 ; v1(140.97,129.464) v1@140.767,129.464 ; 141.656,111.227 141.961,110.922 ; U1.62@141.951,109.77 141.96,109.779 141.96,110.561 141.961,110.922 ; v1@142.215,111.176 141.961,110.922 ; v1@146.659,111.176 146.951,110.883 U1.72@146.951,109.77 ; v1@147.384,122.771 v1@147.585,122.57 ; 147.384,129.07 U1.108@148.751,129.07 ; v1@147.396,116.891 v1@147.574,117.069 ; v1@147.396,117.246 v1@147.574,117.069 ; v1@147.396,122.381 v1@147.585,122.57 ; U1.84@148.751,117.07 148.75,117.069 v1@147.574,117.069 ; U1.95@148.751,122.57 v1@147.585,122.57 ; F3.2@202.235,104.092 202.46,104.092 202.933,104.565 202.933,104.79 205.727,107.585 206.068,107.585 206.516,108.033 R8.2@206.516,108.077 ; 129.451,129.502 U1.144@129.451,130.87 129.701,130.87 U1.143@129.951,130.87 129.951,129.713 129.662,129.713 129.451,129.502
  Top Layer w0.3: v1(120.752,37.287) 120.015,37.287 118.897,38.405 118.897,107.645 120.294,109.042 127.002,109.042 127.178,109.218 127.178,109.22 129.543,111.585 129.994,111.585 ; P2.3@128.499,137.109 128.499,133.731 129.701,132.528 129.701,130.87 ; U1.121@140.951,130.87 140.951,133.128 142.215,134.391 142.215,136.169 144.323,138.278 153.035,138.278 157.836,133.477 164.262,133.477 165.176,134.391 165.176,137.77 165.862,138.455 v2(166.751,138.455) 166.751,137.778 166.784,137.746 166.784,137.546 167.034,137.296 C58.2@167.234,137.296 ; P1.1@160.249,128.549 160.249,122.301 162.027,120.523 v3(168.388,120.523) 169.071,119.84 169.071,119.74 169.496,119.315 R34.1@169.596,119.315
  Top Layer w0.4: 129.451,129.502 129.032,129.083 129.032,122.098 v1(129.718,121.412) 129.718,115.5 128.788,114.57 129.972,113.386 129.972,111.585 ; v1@129.951,129.713 130.277,129.388 v1@135.687,129.388 ; 129.994,111.585 130.454,111.125 ; 130.581,111.252 136.54,111.252 136.951,110.84 137.338,111.227 141.656,111.227 ; 136.216,129.388 v1@140.691,129.388 ; v1(140.97,129.464) 146.99,129.464 147.384,129.07 v1@147.384,122.771 ; v1@142.215,111.176 v1@146.659,111.176 ; 146.951,110.883 147.396,111.328 v1@147.396,116.891 ; v1@147.396,117.246 v1@147.396,122.381 ; 199.479,104.305 199.692,104.092
  Top Layer w0.5: 146.951,110.883 150.47,107.365 153.743,104.092 199.266,104.092 199.479,104.305 ; U11.4@183.109,92.431 183.109,93.955 184.328,95.174 190.576,95.174 199.495,104.092 ; 199.479,104.092 199.692,104.092
  Top Layer w0.6: 192.43,113.081 192.43,111.354 199.479,104.305
  Top Layer w1: 199.692,104.092 F3.2@202.235,104.092
  Bottom Layer w0.254: C35.2@117.602,37.348 122.284,37.348 U2.8@122.299,37.363 ; R3.2@122.798,109.703 122.802,109.707 122.802,110.61 123.698,111.506 123.698,114.122 124.177,114.601 124.387,114.601 125.063,114.601 C6.2@125.095,114.569 ; C11.2@135.687,37.628 139.693,37.628 139.957,37.363 U5.8@140.765,37.363 ; R33.2@140.215,141.743 139.901,142.058 139.374,142.058 138.836,142.596 138.836,144.399 139.326,144.888 140.19,144.888 140.438,145.136 141.072,145.136 U12.8@142.253,143.954 ; C54.2@153.06,37.602 153.32,37.343 U13.8@158.583,37.343
  Bottom Layer w0.3: C6.2@125.095,114.569 125.226,114.7 126.003,114.7 v1(126.06,114.757) ; v1(129.718,121.412) 129.855,121.275 C4.2@129.855,121.082 ; C3.2@129.743,128.793 129.769,128.818 v1(129.769,129.591) ; C20.2@130.419,107.391 130.51,107.483 130.51,108.258 v1(130.568,108.315) 130.568,109.689 F1.1@130.835,109.957 ; v1(135.941,129.515) 135.941,128.818 C7.2@136.042,128.717 ; C2.2@136.881,112.101 136.957,112.024 v1(136.957,111.201) ; C10.2@140.97,128.666 v1(140.97,129.464) ; C1.2@141.935,112.151 141.961,112.126 v1(141.961,111.252) ; C9.2@146.482,128.488 146.406,128.564 v1(146.406,129.413) 159.385,129.413 P1.1@160.249,128.549 ; C5.2@146.522,117.094 v1(147.32,117.094) ; v1(146.837,111.252) 146.837,112.024 C55.2@146.888,112.075 ; U16.4@164.744,139.268 166.014,139.268 166.732,138.551 166.732,138.475 v2(166.751,138.455) ; v3(168.388,120.523) 168.388,120.472 169.045,119.815 169.045,119.715 R35.1@169.47,119.29
  Bottom Layer w0.4: P2.3@128.499,137.109 128.499,137.407 128.888,137.796 128.888,137.829 130.556,139.497 133.858,139.497 136.104,141.743 R33.2@140.215,141.743
  Bottom Layer w0.5: C8.2@146.344,122.555 146.357,122.568 147.282,122.568 v1(147.295,122.58)
  other v1: 137.973,37.643
VDD_EXT: GSM1.40 R30.2 | length 2.2
  Top Layer w0.3: R30.2@200.126,137.49 200.126,135.401 GSM1.40@200.187,135.34
VDDA: C21.2 C25.1 C26.2 F1.2 U1.32 U1.33 | length 9.7
  Top Layer w0.3: U1.32@126.901,113.561 126.901,113.57 U1.32@127.651,113.57 127.651,113.386 ; U1.33@127.651,113.07 127.651,113.386 ; v1(128.803,113.335) 127.702,113.335 127.651,113.386
  Bottom Layer w0.3: F1.2@128.803,109.957 128.803,110.132 129.153,110.482 129.171,110.482 129.347,110.657 129.347,113.495 ; v1(128.803,113.335) 128.842,113.373 129.226,113.373 129.347,113.495 ; C26.2@129.347,116.332 129.347,113.495
pads on no net: GSM1.3 GSM1.4 GSM1.5 GSM1.6 GSM1.7 GSM1.9 GSM1.10 GSM1.11 GSM1.12 GSM1.20 GSM1.22 GSM1.23 GSM1.24 GSM1.25 GSM1.26 GSM1.28 GSM1.29 GSM1.38 J4. J11.1 J11.2 J12.1 J12.2 J13.1 J13.2 J14.1 J14.2 K1.NC1 K1.NC2 K2.NC1 K2.NC2 k3.NC1 k3.NC2 PUSB1.1 RE.7 U1.1 U1.2 U1.3 U1.4 U1.5 U1.7 U1.10 U1.11 U1.12 U1.13 U1.14 U1.15 U1.18 U1.19 U1.20 U1.21 U1.22 U1.26 U1.27 U1.28 U1.29 U1.37 U1.40 U1.41 U1.42 U1.43 U1.44 U1.45 U1.46 U1.47 U1.49 U1.50 U1.53 U1.54 U1.55 U1.56 U1.57 U1.58 U1.59 U1.60 U1.63 U1.64 U1.65 U1.66 U1.67 U1.68 U1.69 U1.70 U1.73 U1.74 U1.75 U1.76 U1.77 U1.78 U1.80 U1.81 U1.82 U1.85 U1.86 U1.90 U1.91 U1.92 U1.96 U1.97 U1.98 U1.110 U1.113 U1.118 U1.119 U1.122 U1.123 U1.124 U1.125 U1.126 U1.127 U1.128 U1.129 U1.132 U1.133 U1.134 U1.135 U1.139 U1.140 U1.141 U1.142 U3.6 U12.7 U16.9 U16.10 U16.11 U16.12 U16.13 U16.14 U16.15

## Polygon pours and split planes (outlines as drawn)
GND on Bottom Layer "Keep-Out Layer-No Net" (solid, remove dead copper, pour order 18): 116.843,90.348 120.117,90.348 118.389,88.621 118.389,38.481 116.942,38.481 116.916,38.456
GND on Bottom Layer "Keep-Out Layer-No Net" (solid, remove dead copper, pour order 16): 173.457,134.239 173.507,134.29 176.759,134.29 176.759,122.961 173.584,122.961
GND on Bottom Layer "Keep-Out Layer-No Net" (solid, remove dead copper, pour order 11): 189.535,84.912 209.423,84.912 209.423,98.45 202.565,105.308 196.24,105.308 192.405,109.144 192.405,115.037 189.001,118.44 174.498,118.44 174.498,161.671 116.535,161.671 116.535,90.297 116.51,90.272 184.175,90.272
GND on Bottom Layer "Keep-Out Layer-No Net" (solid, remove dead copper, pour order 15): 186.08,40.742 178.13,40.742 169.926,48.946 170.104,49.124 170.104,55.474 119.558,55.474 119.329,55.702 119.329,88.849 183.947,88.849 188.925,83.871 188.925,78.511 204.035,78.511 204.193,40.742
GND on Bottom Layer "Keep-Out Layer-No Net" (solid, remove dead copper, pour order 9): 175.438,138.9 175.438,161.671 226.746,161.671 226.746,78.156 189.408,78.156 189.408,85.039 189.459,85.09 189.611,84.938 210.16,84.938 210.16,98.679 202.895,105.943 196.774,105.943 192.583,110.134 192.583,116.561 190.094,119.05 175.411,119.05
GND on Top Layer "Keep-Out Layer-No Net" (solid, remove dead copper, pour order 17): 173.457,134.239 173.507,134.29 176.759,134.29 176.759,122.961 173.584,122.961
GND on Top Layer "Keep-Out Layer-No Net" (solid, remove dead copper, pour order 13): 202.895,71.526 202.895,77.8 210.31,85.217 210.312,98.349 202.895,105.766 198.704,105.791 192.557,111.938 192.557,116.103 189.586,119.075 189.484,118.974 175.438,118.974 175.438,161.442 226.771,161.442 226.771,79.832 227.051,79.553 226.924,79.426 210.795,79.426
GND on Top Layer "Keep-Out Layer-No Net" (solid, remove dead copper, pour order 12): 192.329,114.91 192.329,112.062 200.098,104.292 202.997,104.242 209.347,97.892 209.296,78.156 189.459,78.486 189.459,63.094 189.459,84.988 184.125,90.322 184.099,90.297 116.484,90.297 116.484,161.544 174.422,161.544 174.422,118.415 174.498,118.339 174.549,118.389 188.951,118.389 188.951,118.288
GND on Top Layer "Keep-Out Layer-No Net" (solid, remove dead copper, pour order 14): 186.004,40.716 178.257,40.716 170.002,48.971 170.002,55.397 118.796,55.397 119.38,55.982 119.38,88.798 183.998,88.798 188.849,83.947 188.849,77.241 204.14,77.241 204.14,40.791

## Keep-outs
Keep-Out Layer:
  the board outline again, w0.254

## Other copper
Top Layer:
  region net GND: 225.12,77.191 205.715,77.191 205.715,64.262 225.12,64.262
  pour cut-out: 151.079,161.62 151.079,138.278 151.511,138.278 151.511,161.62
  pour cut-out: 209.654,136.55 226.797,136.55 226.797,161.646 226.771,161.671 226.72,161.62 209.492,161.62
Bottom Layer:
  region net GND: 163.144,37.998 160.122,37.998 160.122,32.893 163.144,32.893
  region net GND: 126.873,38.024 123.85,38.024 123.85,32.918 126.873,32.918
  region net GND: 145.339,38.024 142.316,38.024 142.316,32.918 145.339,32.918
  region net GND: 225.298,77.267 204.927,77.267 204.927,64.287 225.298,64.287
  pour cut-out: 151.511,161.62 151.511,138.278 151.079,138.278 151.079,161.62
  pour cut-out: 209.646,136.55 226.797,136.55 226.797,161.646 226.771,161.671 226.72,161.62 209.485,161.62

## Silkscreen, mask and mechanical layers (free items; w line width, h text height)
Top Overlay:
  lines w0.3: 190.398,127.864 190.398,129.057 192.964,129.057 192.964,127.864 190.398,127.864
  text "Baghyar_P200" at 206.273,155.239 h2.54
  text "Monitoring" at 174.75,154.509 h2.03
  text "v2.0.2" at 206.4,152.702 h2.03
  text "+" at 125.651,137.775 h2.03
  text "12 MHz" at 156.388,137.084 h2.03 r90
  text "Boot 0" at 123.901,136.79 h1.02
  text "DIO" at 163.315,130.415 h1.02 r90
  text "GND" at 168.395,130.415 h1.02 r90
  text "CLK" at 165.855,130.325 h1.02 r90
  text "VCC" at 160.75,130.314 h1.02 r90
  text "P" at 191.349,129.408 h1.52
  text "+" at 169.621,122.076 h1.02 r180
  text "-" at 172.136,122.014 h1.02 r180
  text "8 MHz" at 118.545,115.722 h2.03 r90
  text "+" at 131.216,99.463 h1.02
  text "Boot 1" at 133.096,99.451 h1.02
  text "SW3" at 178.036,98.769 h3.05
  text "3" at 161.163,81.256 h3.05
  text "4" at 179.709,81.244 h3.05
  text "1" at 124.797,81.239 h3.05
  text "2" at 142.95,81.239 h3.05
  text "220VAC /  to  / 5VDC / 5W" at 204.495,54.585 h4.57
  text "SW3" at 177.706,35.625 h3.05
  text "3" at 160.768,35.28 h3.05
  text "1" at 124.402,35.263 h3.05
  text "2" at 142.555,35.263 h3.05
  text "NO" at 126.848,32.992 h2.03
  text "NO" at 145.186,32.992 h2.03
  text "NO" at 162.89,32.992 h2.03
  text "N" at 122.174,32.969 h2.03
  text "N" at 140.665,32.969 h2.03
  text "N" at 158.42,32.969 h2.03
  text "AC" at 218.542,22.589 h3.05
Bottom Overlay:
  text "-" at 172.136,121.42 h1.02
  text "+" at 169.621,121.358 h1.02